# Altium PCB hava_kalitesi_olcumu.PcbDoc
Units mm, origin at the board's own origin, x right, y up, seen from the top; angles counter-clockwise.
Board outline 72.84 x 60.14 mm, 4 copper layers (Top Layer, Int1 (GND), Int2 (PWR), Bottom Layer), stack 1.369 mm thick; 82 components, 47 nets, 296 pads, 71 vias.
Unrouted connection lines stored in the file: 1.
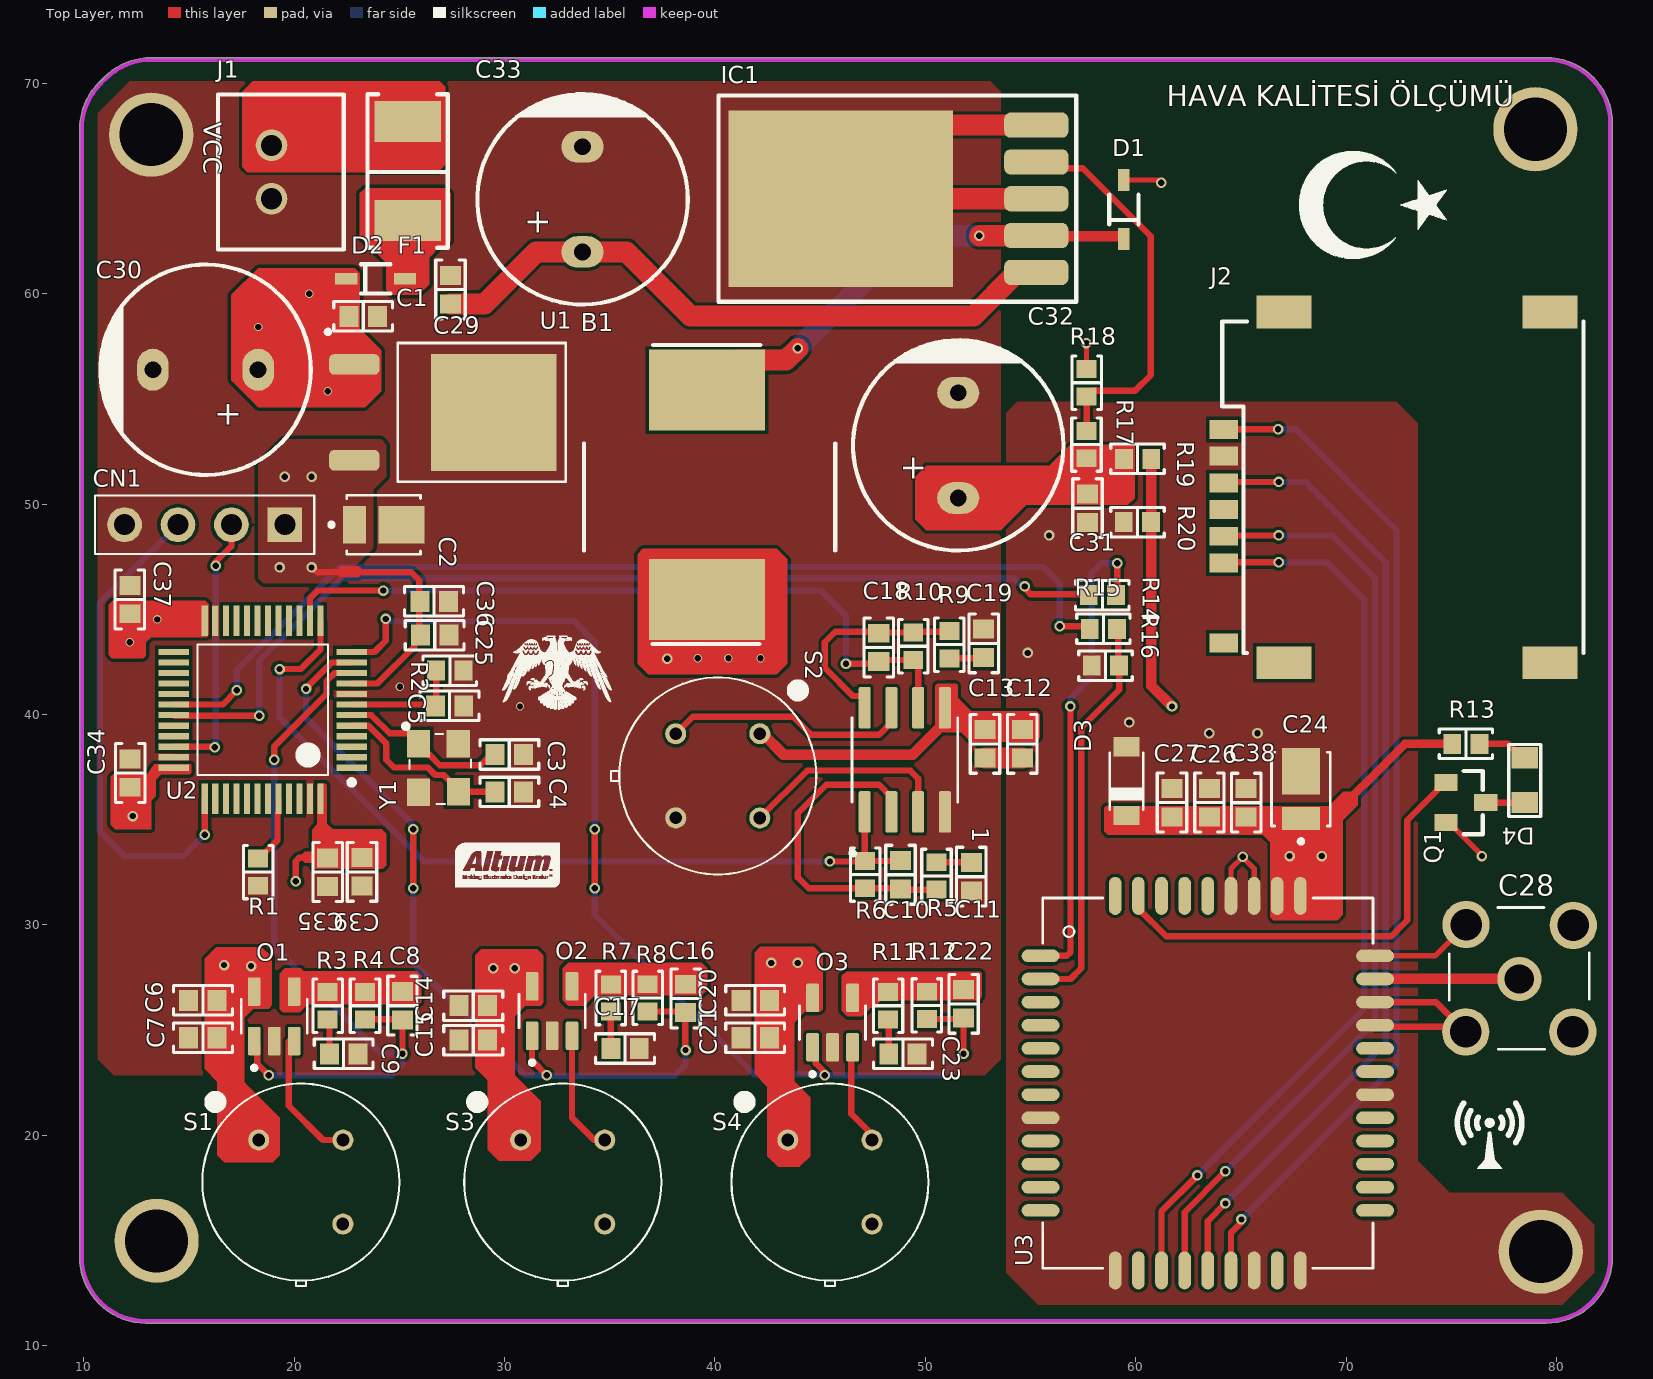
[diagram p0: Top Layer view]
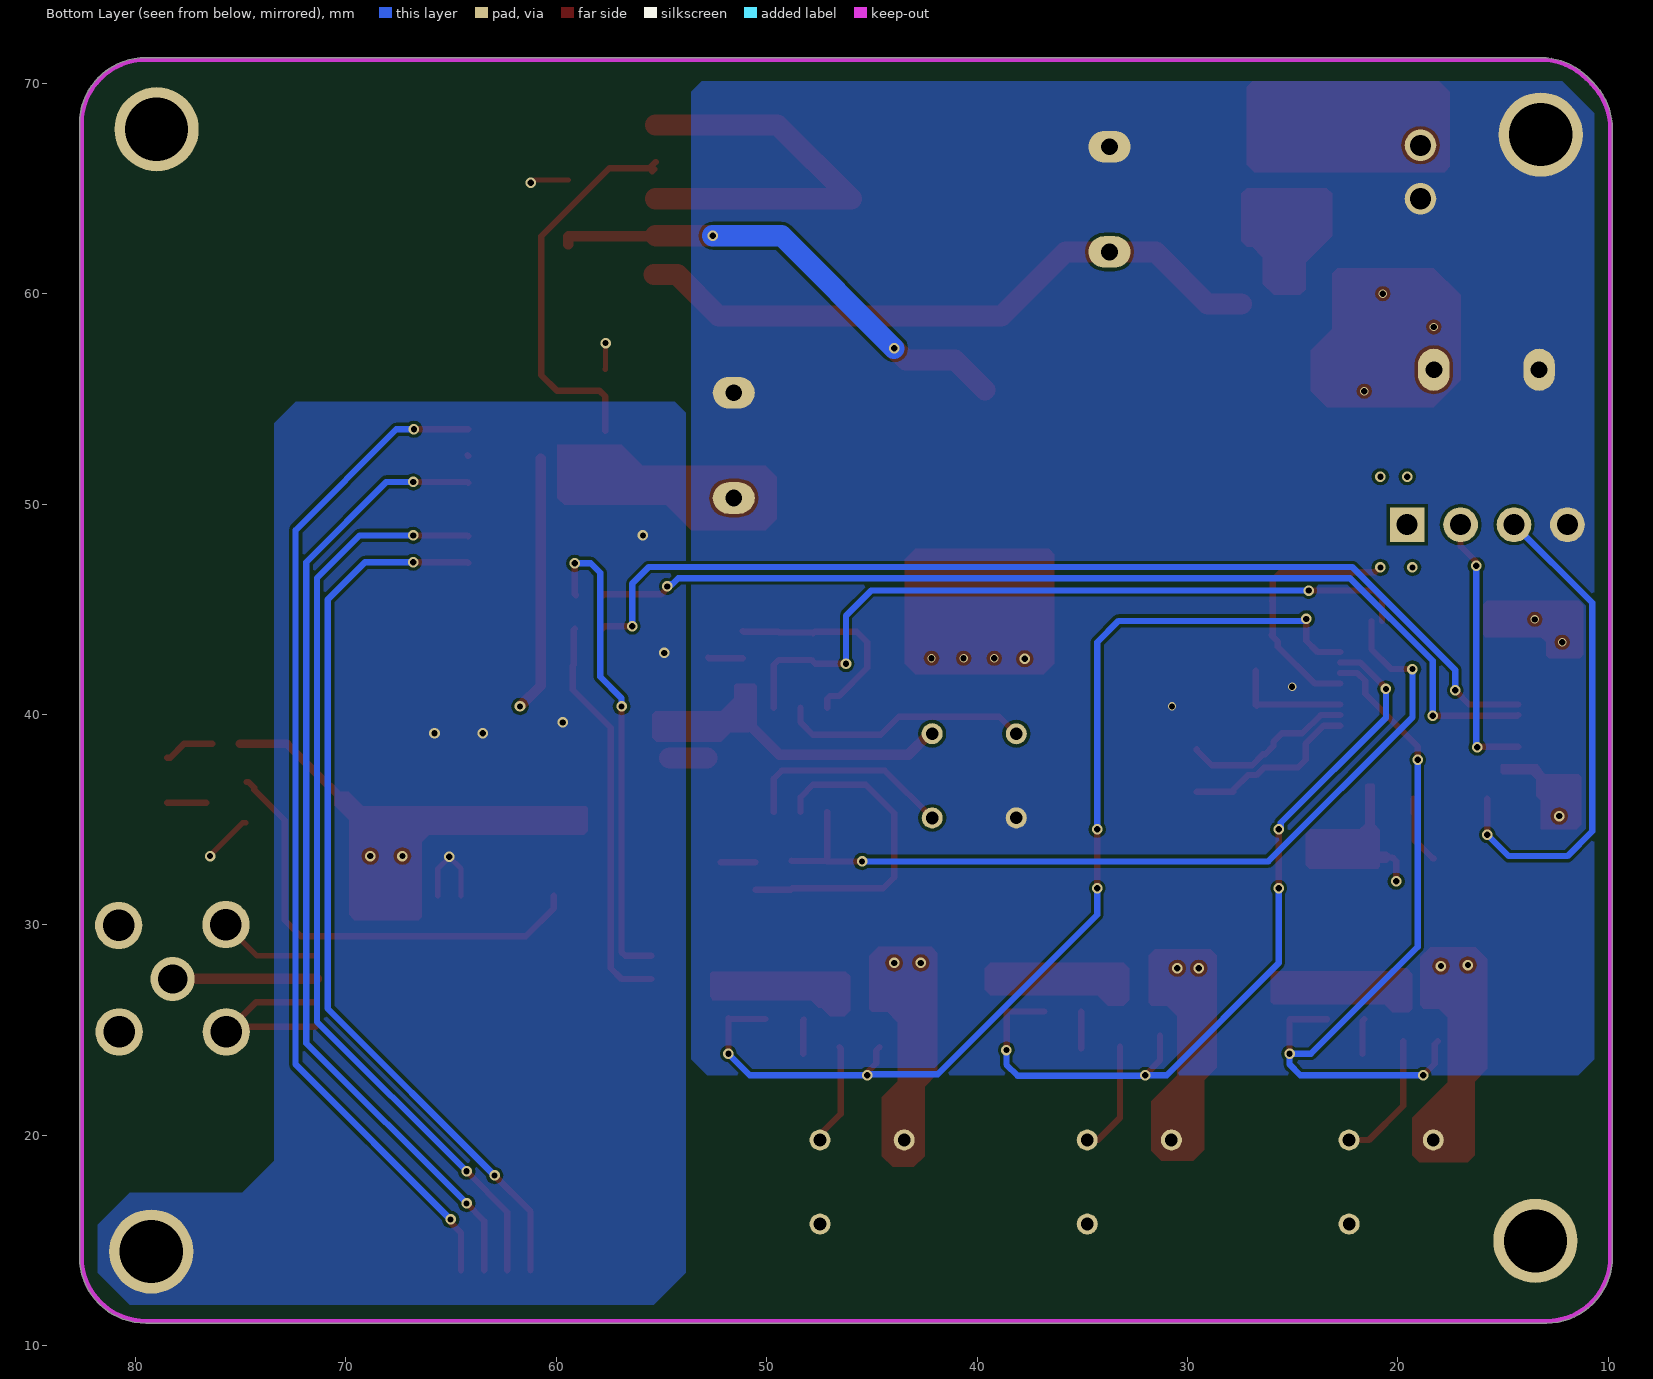
[diagram p1: Bottom Layer view, seen from below]
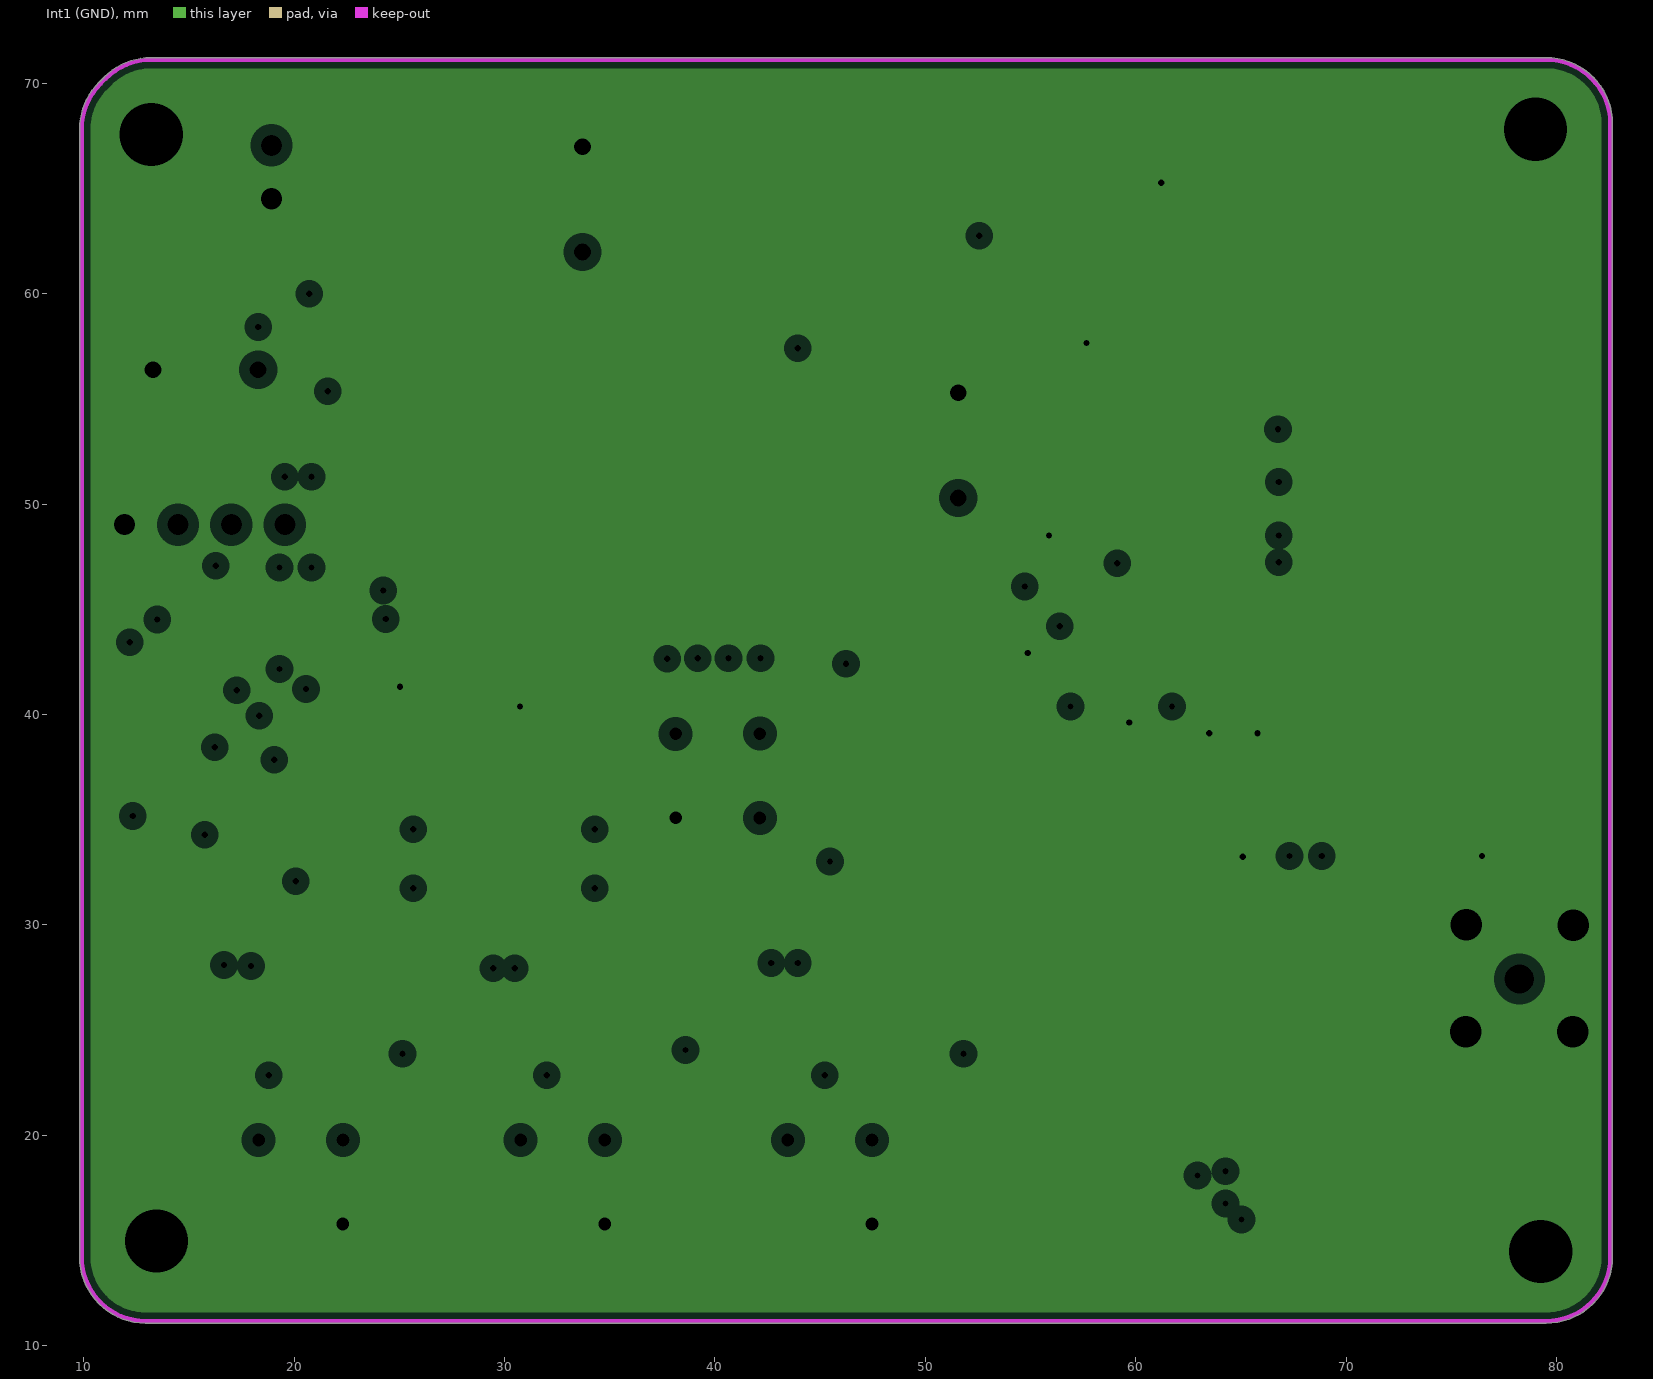
[diagram p2: Int1 (GND), clearances drawn from the general rule]
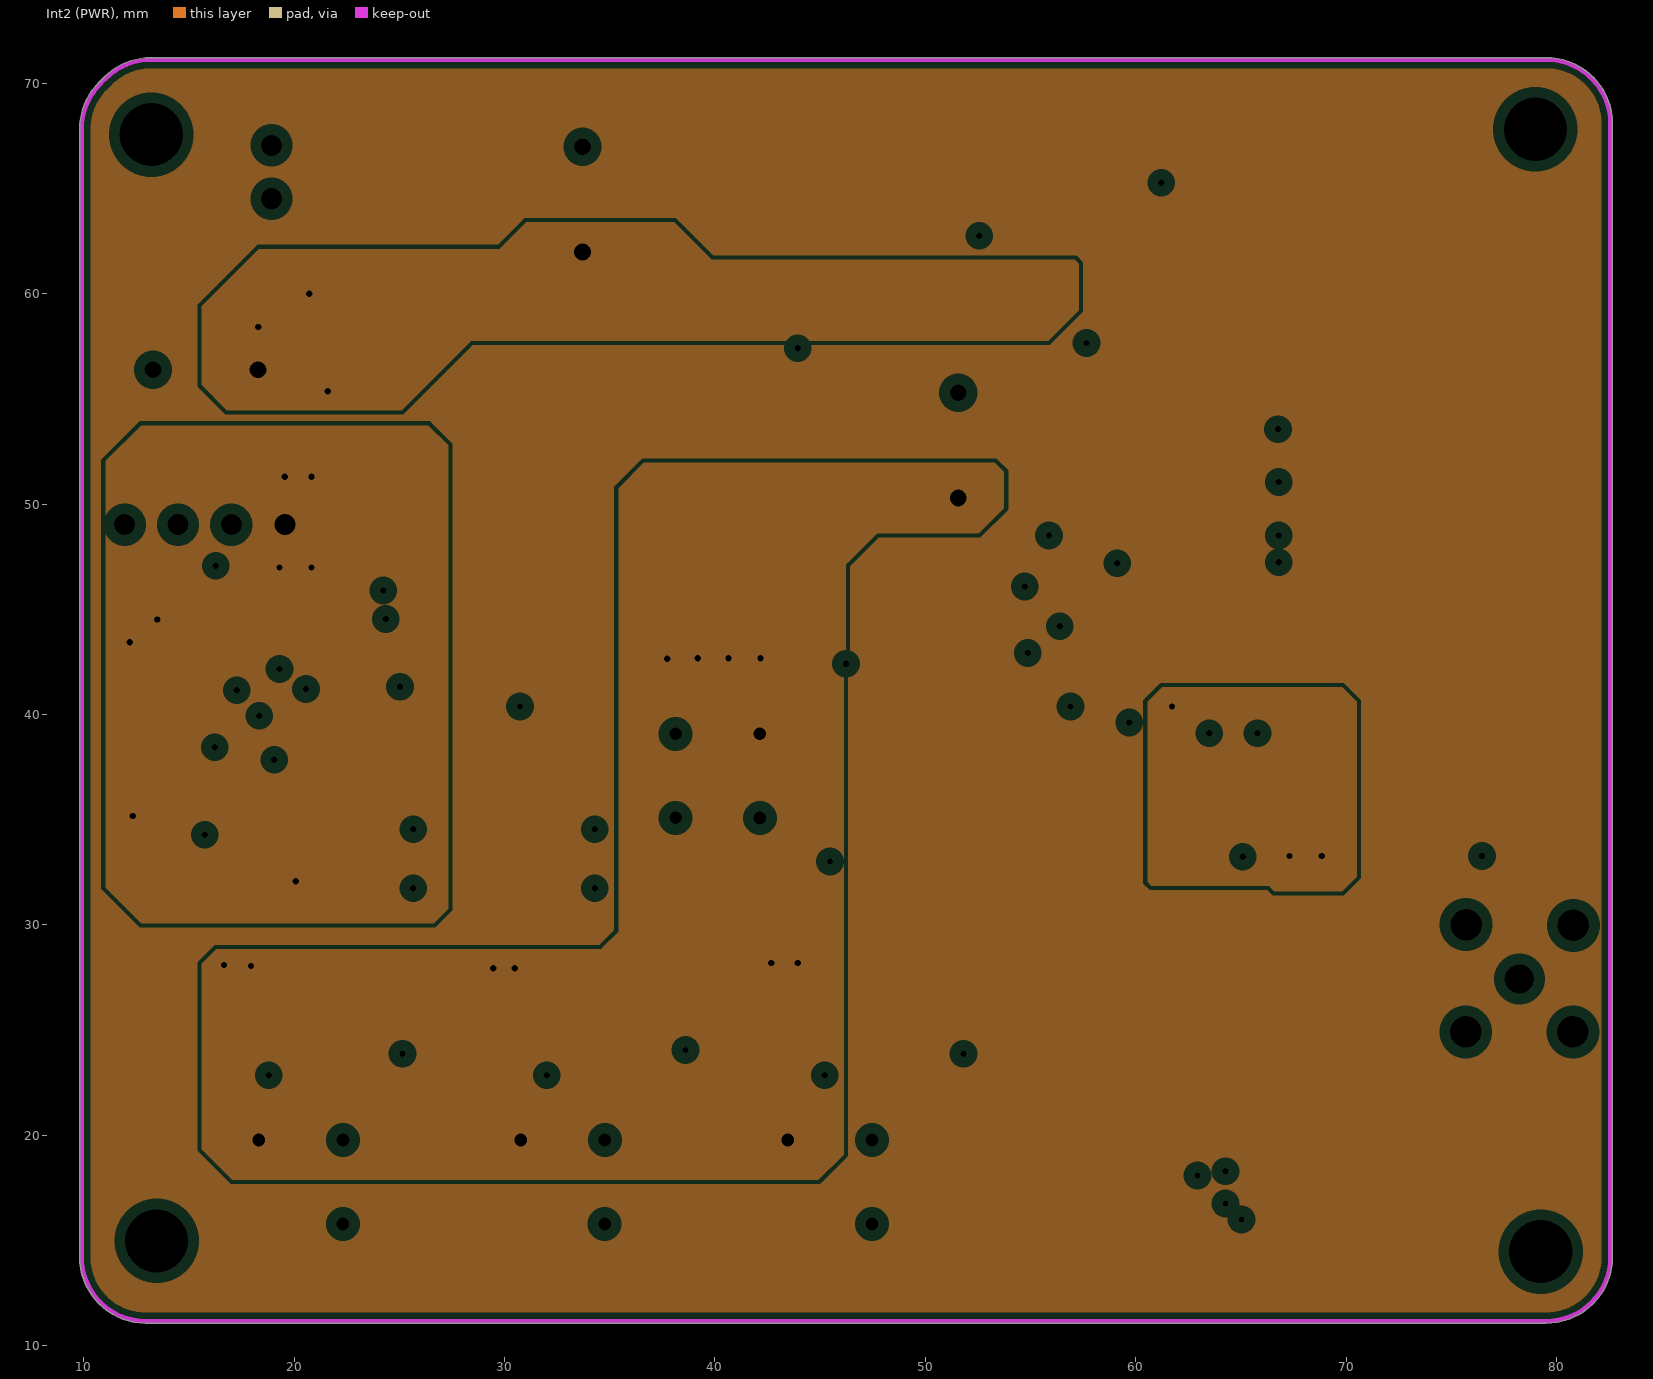
[diagram p3: Int2 (PWR), clearances drawn from the general rule]
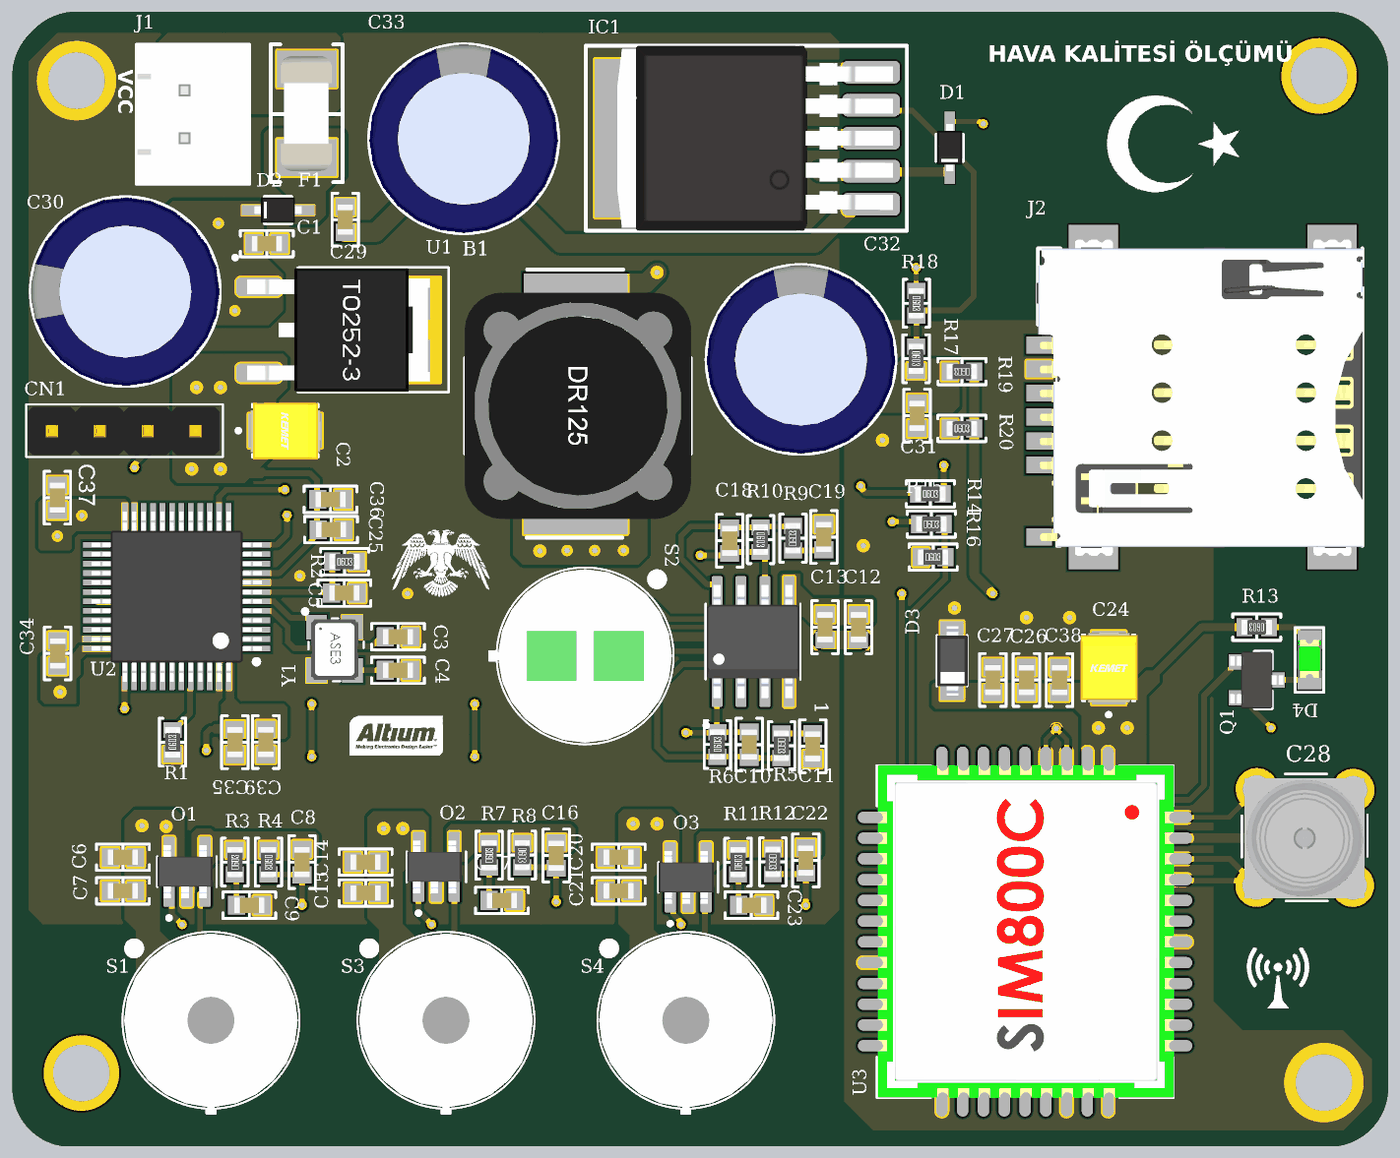
[diagram p4: 3D render of the assembled board from above, using the file's embedded part models]

## Layer stack, top to bottom
Top Solder: solder mask 0.0254, SM-001, Dk 4
Top Layer: signal copper 0.035
Dielectric 1: prepreg 0.1295, PP-017, Dk 4.3
Dielectric 2: prepreg 0.1295, PP-017, Dk 4.3
Int1 (GND): plane copper 0.035, net GND
Dielectric 3: core 0.7112, Core-039, Dk 4.8
Int2 (PWR): plane copper 0.035
Dielectric 4: prepreg 0.1295, PP-017, Dk 4.3
Dielectric 5: prepreg 0.1295, PP-017, Dk 4.3
Bottom Layer: signal copper 0.035
Bottom Solder: solder mask 0.0254, SM-001, Dk 4

## Board outline
10.731,11.987 ccw(c10.804,12.056) 10.735,11.983 ccw(c12.928,14.18) 12.928,11.076 79.502,11.076 ccw(c79.502,14.242) 81.739,12.001 ccw(c79.502,14.242) 81.741,12.003 ccw(c79.546,14.198) 81.743,12.005 ccw(c79.546,14.198) 82.65,14.198 82.65,15.494 82.65,67.818 82.65,68.098 ccw(c79.546,68.098) 81.742,70.292 ccw(c79.546,68.098) 81.741,70.293 ccw(c79.502,68.054) 81.74,70.294 ccw(c79.502,68.054) 79.502,71.22 13.208,71.22 ccw(c13.208,68.054) 10.969,70.293 10.733,70.057 ccw(c12.972,67.818) 9.806,67.818 9.806,66.802 9.806,14.986 9.806,14.224 ccw(c12.972,14.224)

## Design rules (kind name [scope] priority, off if disabled: settings)
Clearance [All] p1: gap=0.152 ignorepadtopadclearanceinfootprint=FALSE
HoleSize [All] p1: absolutevalues=TRUE maxlimit=5 minlimit=0.025 maxpercent=80.000 minpercent=20.000
MinimumSolderMaskSliver [All] p1: minsoldermaskwidth=0.05
PlaneClearance [All] p1: clearance=0.508
PlaneConnect [All] p1: planeconnectstyle=Direct reliefexpansion=0.508 reliefentries=4 reliefconductorwidth=0.254 reliefairgap=0.254
PolygonConnect [All] p1: connectstyle=Direct reliefconductorwidth=0.254 reliefentries=4 polygonreliefangle="90 Angle" airgapwidth=0.254
RoutingVias [All] p1: holewidth=0.4 width=0.8 viastyle="Through Hole" minholewidth=0.3 minwidth=0.4 maxholewidth=1 maxwidth=2
SilkToSilkClearance [All] p1: silktosilkclearance=0
SilkToSolderMaskClearance [IsPad] p1: minsilkscreentomaskgap=0 clearancetoexposedcopper=TRUE
SolderMaskExpansion [All] p1: expansion=0.102 istentingtop=FALSE
Width [All] p1: maxlimit=2 minlimit=0.152 preferedwidth=0.3 minimp=50.000000 maximp=50.000000 favimp=50.000000
24 further rules are at their usual default settings.

## Classes and differential pairs
component class Power: B1 C1 C2 C29 C30 C31 C32 C33 D1 D2 F1 IC1 J1 R17 R18 U1
component class Microcontroller: C3 C4 C5 C34 C35 C36 C37 C39 CN1 R1 R2 U2 Y1
component class GSM: C24 C26 C27 C28 C38 D3 D4 J2 Q1 R13 R14 R15 R16 R19 R20 U3
component class GasSensor: 1 C6 C7 C8 C9 C10 C11 C12 C13 C14 C15 C16 C17 C18 C19 C20 C21 C22 C23 O1 O2 O3 R3 R4 R5 R6 R7 R8 R9 R10 R11 R12 S1 S2 S3 S4

## Components (designator, comment, footprint, x,y, rotation, side; value= is the part's Value field where it differs from the comment)
1 "TSV992IDT" SOIC8 49.022,37.846 r90 top
B1 "33uH" DR125 39.624,55.416 r270 top
C1 "330nF" "CAP 0603_1608" 23.281,58.928 r180 top
C2 "10uF" "TANTAL B-CASE" 25.1,49.022 r180 top
C3 "16pF" "CAP 0603_1608" 30.226,38.1 r0 top
C4 "16pF" "CAP 0603_1608" 30.226,36.322 r0 top
C5 "100nF" "CAP 0603_1608" 27.385,40.416 r180 top
C6 "2.2uF" "CAP 0603_1608" 15.661,26.416 r180 top
C7 "100nF" "CAP 0603_1608" 15.661,24.638 r0 top
C8 "3.3nF" "CAP 0603_1608" 25.146,26.162 r270 top
C9 "2.2uF" "CAP 0603_1608" 22.352,23.876 r180 top
C10 "3.3nF" "CAP 0603_1608" 48.821,32.384 r90 top
C11 "2.2uF" "CAP 0603_1608" 52.186,32.294 r90 top
C12 "2.2uF" "CAP 0603_1608" 54.61,38.608 r270 top
C13 "100nF" "CAP 0603_1608" 52.832,38.608 r90 top
C14 "2.2uF" "CAP 0603_1608" 28.512,26.162 r180 top
C15 "100nF" "CAP 0603_1608" 28.512,24.525 r0 top
C16 "3.3nF" "CAP 0603_1608" 38.604,26.507 r270 top
C17 "2.2uF" "CAP 0603_1608" 35.727,24.13 r180 top
C18 "3.3nF" "CAP 0603_1608" 47.785,43.19 r270 top
C19 "2.2uF" "CAP 0603_1608" 52.773,43.384 r270 top
C20 "2.2uF" "CAP 0603_1608" 41.91,26.416 r180 top
C21 "100nF" "CAP 0603_1608" 41.91,24.638 r0 top
C22 "3.3nF" "CAP 0603_1608" 51.816,26.249 r270 top
C23 "2.2uF" "CAP 0603_1608" 48.935,23.876 r180 top
C24 "100uF" "TANTAL B-CASE" 67.851,37.3 r270 top
C25 "10nF" "CAP 0603_1608" 26.678,43.775 r180 top
C26 "33pF" "CAP 0603_1608" 63.5,35.814 r270 top
C27 "10pF" "CAP 0603_1608" 61.722,35.814 r270 top
C28 "SMA" "132134-11 SMA ANTEN" 78.51,26.638 r90 top
C29 "1uF" "CAP 0603_1608" 27.432,60.198 r270 top
C30 "470uF_AL_1" "10x12 Al Cap" 15.758,56.466 r180 top
C31 "100nF" "CAP 0603_1608" 57.706,49.808 r90 top
C32 "330uF_AL" "10x12 Al Cap" 51.64,52.822 r90 top
C33 "100uF_AL" "10x12 Al Cap" 33.782,64.516 r90 top
C34 "0.1uF" "CAP 0603_1608" 12.207,37.22 r270 top
C35 "4.7uF" "CAP 0603_1608" 21.59,32.512 r90 top
C36 "1uF" "CAP 0603_1608" 26.652,45.379 r180 top
C37 "0.1uF" "CAP 0603_1608" 12.192,45.466 r270 top
C38 "1uF" "CAP 0603_1608" 65.248,35.811 r270 top
C39 "0.1uF" "CAP 0603_1608" 23.226,32.523 r90 top
CN1 "CONN4 MALE" "CONN4 MALE" 15.748,49.022 r0 top
D1 "1N4148WS" SOD323F 59.436,64.008 r90 top
D2 "1N4148WS" SOD323F 23.876,60.706 r0 top
D3 "ZENER DIODE" SOD123 59.43,37.34 r90 top
D4 "0805 Green LED" "0805 Green LED" 78.486,37.932 r270 top value=Green
F1 "Fuse 1808" 1808 25.4,65.786 r270 top
IC1 "LM2596" D2PAK 47.424,64.616 r90 top
J1 "JST2" JST2 19.05,65.786 r90 top
J2 "SIM" GCT_SIM7100-6-1-15-00-A_REVC 72.39,50.8 r90 top
O1 "TSV991A" SOT23-5 19.05,25.654 r90 top
O2 "TSV991A" SOT23-5 32.258,25.908 r90 top
O3 "TSV991A" SOT23-5 45.589,25.356 r90 top
Q1 "MMBT3904-7-F" SOT-23F 75.692,35.814 r270 top
R1 "10K" "RES 0603_1608" 18.288,32.512 r90 top
R2 "10K" "RES 0603_1608" 27.4,42.082 r0 top
R3 "50K" "RES 0603_1608" 21.59,26.162 r90 top
R4 "1M" "RES 0603_1608" 23.368,26.162 r270 top
R5 "56K" "RES 0603_1608" 50.529,32.328 r270 top
R6 "1M" "RES 0603_1608" 47.136,32.394 r90 top
R7 "50K" "RES 0603_1608" 35.052,26.528 r90 top
R8 "1M" "RES 0603_1608" 36.805,26.532 r270 top
R9 "56K" "RES 0603_1608" 51.136,43.322 r90 top
R10 "1M" "RES 0603_1608" 49.424,43.247 r270 top
R11 "50K" "RES 0603_1608" 48.228,26.158 r90 top
R12 "1M" "RES 0603_1608" 50.072,26.175 r270 top
R13 "330R" "RES 0603_1608" 75.692,38.608 r180 top
R14 "1K" "RES 0603_1608" 58.414,45.672 r0 top
R15 "1K" "RES 0603_1608" 58.463,44.072 r0 top
R16 "5.6K" "RES 0603_1608" 58.561,42.321 r0 top
R17 "3.3K" "RES 0603_1608" 57.658,52.832 r270 top
R18 "1K" "RES 0603_1608" 57.669,55.769 r270 top
R19 "470R" "RES 0603_1608" 60.085,52.152 r180 top
R20 "2.2K" "RES 0603_1608" 60.08,49.14 r0 top
S1 "GAS DETECTOR" "TO-39 CIRCLE" 20.32,17.78 r270 top
S2 "GAS DETECTOR" "TO-39 DUAL" 39.878,37.084 r180 top
S3 "GAS DETECTOR" "TO-39 CIRCLE" 32.766,17.78 r270 top
S4 "GAS DETECTOR" "TO-39 CIRCLE" 45.466,17.78 r270 top
U1 "LD29150DT33R" "TO252-3 DPAK" 29.48,54.362 r270 top
U2 "STM32F103" LQFP48 18.506,40.225 r180 top
U3 "SIM800C" LCC110P1570X1760X250-42N 63.424,22.482 r0 top
Y1 "OSCILLATOR" OSCILLATOR 26.998,37.427 r270 top
